# Altium PCB LimeSDR-PCIe_1v3.PcbDoc (part 6 of 10)
Units mm, origin at the board's own origin, x right, y up, seen from the top; angles counter-clockwise.
Board outline 136.85 x 68.9 mm, 12 copper layers (Top, L2, L3, L4, L5, L6, L7, L8, L9, L10, L11, Bottom), stack 1.638 mm thick; 831 components, 538 nets, 3821 pads, 1805 vias.
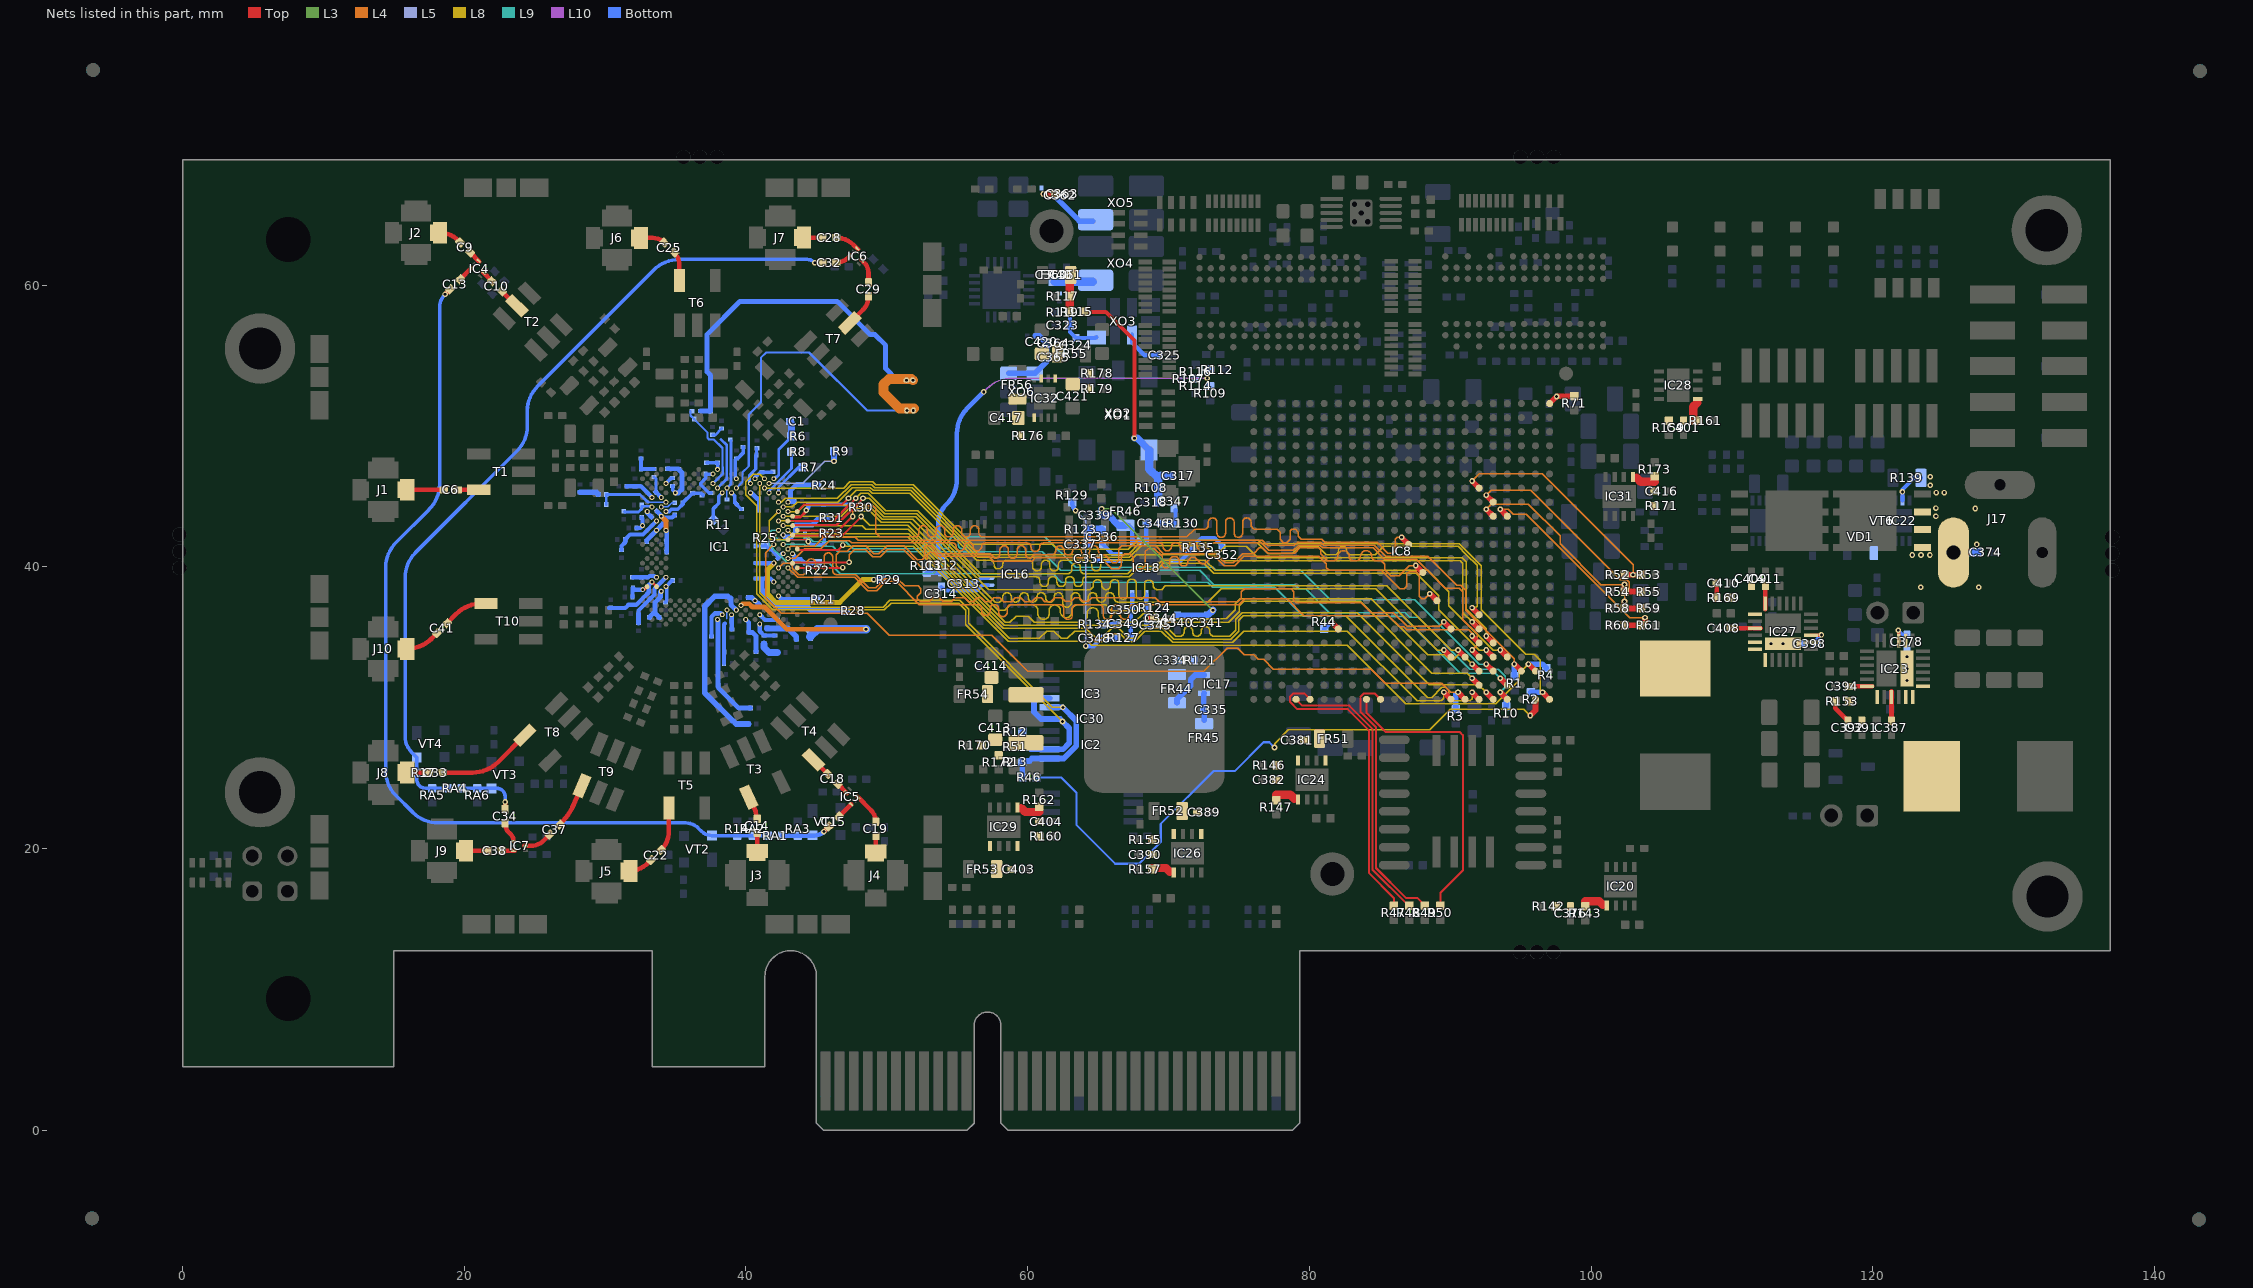
[diagram p16: the nets of this part, all layers, seen from the top]

## Via types
v1: diameter 0.4, hole 0.2, Top to Bottom, tented both sides, 1697 vias
v2: diameter 0.35, hole 0.2, Top to Bottom, tented top, 87 vias
v3: diameter 0.5, hole 0.2, Top to Bottom, tented both sides, 20 vias
v4: diameter 0.4, hole 0.2, Top to Bottom, tented top, 1 vias

## Nets (pads, with @x,y where several pads share a name; then routed paths per layer and width w, separated by ;. In a path a pad name is that pad's centre, name@x,y a point inside that pad or via, vN(x,y) a via of type N, cw(c..) or ccw(c..) an arc to the next point about the centre after c; other vN are vias at no path point) (continued)
LMS_DIQ1_D10: IC1.AB30 IC8.F8 | length 59.2
  Top w0.4: v1(89.55,36.1) IC8.F8@90.05,35.6
  L4 w0.1: v2(42.311,39.934) 42.636,40.259 43.141,40.259 43.302,40.098 43.302,39.892 43.744,39.45 44.025,39.45 ccw(c44.025,39.754) 44.329,39.754 44.329,40.271 cw(c44.633,40.271) 44.633,40.575 cw(c44.633,40.271) 44.937,40.271 44.937,39.754 ccw(c45.241,39.754) 45.241,39.45 ccw(c45.241,39.754) 45.545,39.754 45.545,40.696 cw(c45.849,40.696) 45.849,41 cw(c45.849,40.696) 46.153,40.696 46.153,39.754 ccw(c46.457,39.754) 46.457,39.45 46.761,39.45 46.85,39.45 47.794,39.45 48.293,38.95 48.3,38.95 48.725,38.525 49.2,38.525 49.85,39.175 50.749,39.175 51.274,38.65 52.242,38.65 52.425,38.467 52.425,38.175 52.175,37.925 52.175,37.749 52.399,37.525 53,37.525 53.275,37.8 53.725,37.8 54,37.525 54.575,37.525 54.85,37.8 55.55,37.8 55.825,37.525 56.15,37.525 56.425,37.8 56.7,37.8 56.975,37.525 57.325,37.525 57.6,37.8 58.025,37.8 58.29,37.535 58.843,37.535 58.85,37.541 58.866,37.541 59.125,37.8 59.525,37.8 59.8,37.525 60.3,37.525 60.575,37.8 60.95,37.8 61.225,37.525 61.65,37.525 61.925,37.8 62.4,37.8 62.65,37.55 63.1,37.55 63.35,37.8 63.65,37.8 63.9,37.55 64.3,37.55 64.55,37.8 69.05,37.8 69.325,37.525 74.914,37.525 75.175,37.786 75.175,38.22 75.405,38.45 78.695,38.45 78.9,38.245 78.9,37.6 79.05,37.45 83.695,37.45 84.395,36.75 85.971,36.75 86.946,35.775 89.225,35.775 v1(89.55,36.1)
LMS_DIQ1_D11: IC1.AB32 IC8.E6 | length 59.2
  Top w0.4: v1(91.55,35.1) IC8.E6@92.05,34.6
  L4 w0.1: v2(42.977,39.934) 43.661,39.25 47.711,39.25 48.636,38.325 49.283,38.325 49.933,38.975 50.666,38.975 52.316,37.325 55.65,37.325 56.114,37.325 56.418,37.325 cw(c56.418,37.021) 56.722,37.021 56.722,36.854 ccw(c57.026,36.854) 57.026,36.55 ccw(c57.026,36.854) 57.33,36.854 57.33,37.021 cw(c57.634,37.021) 57.634,37.325 cw(c57.634,37.021) 57.938,37.021 57.938,36.77 ccw(c58.242,36.77) 58.242,36.466 ccw(c58.242,36.77) 58.546,36.77 58.546,37.021 cw(c58.85,37.021) 58.85,37.325 61.75,37.325 61.955,37.325 62.259,37.325 cw(c62.259,37.021) 62.563,37.021 62.563,36.575 ccw(c62.867,36.575) 62.867,36.271 ccw(c62.867,36.575) 63.171,36.575 63.171,37.021 cw(c63.475,37.021) 63.475,37.325 64.45,37.325 64.754,37.325 65.058,37.325 cw(c65.058,37.021) 65.362,37.021 65.362,36.575 ccw(c65.666,36.575) 65.666,36.271 ccw(c65.666,36.575) 65.97,36.575 65.97,37.021 cw(c66.274,37.021) 66.274,37.325 cw(c66.274,37.021) 66.578,37.021 66.578,36.575 ccw(c66.882,36.575) 66.882,36.271 ccw(c66.882,36.575) 67.186,36.575 67.186,37.021 cw(c67.49,37.021) 67.49,37.325 69.125,37.325 74.997,37.325 75.397,37.725 78.42,37.725 79.595,36.55 85.605,36.55 86.405,35.75 86.688,35.75 86.913,35.525 91.3,35.525 91.55,35.275 v1(91.55,35.1)
LMS_DIQ2_D0: IC1.H30 IC8.G6 | length 58.8
  Top w0.4: v1(91.55,37.1) IC8.G6@92.05,36.6
  L8 w0.1: v2(42.311,44.596) 42.517,44.596 42.797,44.875 46.497,44.875 47.46,45.838 48.917,45.838 49.13,45.625 51.792,45.625 56.542,40.875 67.144,40.875 67.969,41.7 76.304,41.7 77.079,40.925 78.775,40.925 79.3,41.45 80.6,41.45 81.2,40.85 81.75,40.85 81.758,40.85 ccw(c81.758,41.146) 82.054,41.146 cw(c82.358,41.146) 82.358,41.45 cw(c82.358,41.146) 82.662,41.146 ccw(c82.958,41.146) 82.958,40.85 83.27,40.85 83.5,40.85 84.675,40.85 85.275,41.45 90.554,41.45 91.154,40.85 91.9,40.104 91.9,37.225 91.775,37.1 v1(91.55,37.1)
LMS_DIQ2_D1: IC1.J31 IC8.E5 | length 58.8
  Top w0.4: v1(92.55,35.1) IC8.E5@93.05,34.6
  L8 w0.1: v2(42.644,44.263) 43.288,44.263 43.625,44.6 46.505,44.6 47.543,45.638 48.835,45.638 49.047,45.425 51.709,45.425 56.459,40.675 67.226,40.675 68.051,41.5 72.6,41.5 73.025,41.075 73.625,41.075 74.025,41.475 75.5,41.475 76.325,40.65 90.85,40.65 91.15,40.35 91.15,36.995 92.55,35.595 v1(92.55,35.1)
LMS_DIQ2_D2: IC1.K30 IC8.A8 | length 58.8
  Top w0.4: v1(89.55,31.1) IC8.A8@90.05,30.6
  L8 w0.1: v2(42.311,43.93) 42.309,43.931 41.649,43.271 41.649,42.076 41.801,41.924 42.509,41.924 42.824,41.924 43.056,42.156 51.47,42.156 58.701,34.925 60.825,34.925 61.35,35.45 61.85,35.45 62.375,34.925 62.805,34.925 63.33,35.45 64.05,35.45 64.8,34.7 65.308,34.7 65.854,35.246 66.571,35.246 67.117,34.7 67.575,34.7 68.325,35.45 69.5,35.45 70.3,34.65 74.55,34.65 75.35,35.45 82.695,35.45 87.645,30.5 89.375,30.5 89.55,30.675 v1(89.55,31.1)
LMS_DIQ2_D3: IC1.K32 IC8.D7 | length 59.2
  Top w0.4: v1(90.55,34.1) IC8.D7@91.05,33.6
  L8 w0.1: v2(42.977,43.93) 43.685,43.93 44.13,44.375 48.966,44.375 49.766,43.575 52.042,43.575 57.234,38.383 64.35,38.383 ccw(c64.35,38.687) 64.654,38.687 64.654,38.792 cw(c64.958,38.792) 64.958,39.096 cw(c64.958,38.792) 65.262,38.792 65.262,38.687 ccw(c65.566,38.687) 65.566,38.383 ccw(c65.566,38.687) 65.87,38.687 65.87,38.792 cw(c66.174,38.792) 66.174,39.096 cw(c66.174,38.792) 66.478,38.792 66.478,38.383 66.478,38.02 ccw(c66.782,38.02) 66.782,37.716 ccw(c66.782,38.02) 67.086,38.02 67.086,38.383 67.086,38.831 cw(c67.39,38.831) 67.39,39.135 cw(c67.39,38.831) 67.694,38.831 67.694,38.383 67.694,38.02 ccw(c67.998,38.02) 67.998,37.716 ccw(c67.998,38.02) 68.302,38.02 68.302,38.383 68.302,38.759 cw(c68.606,38.759) 68.606,39.063 cw(c68.606,38.759) 68.91,38.759 68.91,38.687 ccw(c69.214,38.687) 69.214,38.383 69.508,38.383 69.775,38.65 85.505,38.65 90.055,34.1 v1(90.55,34.1)
LMS_DIQ2_D4: IC1.L31 IC8.D8 | length 59.2
  Top w0.4: v1(89.55,34.1) IC8.D8@90.05,33.6
  L8 w0.1: v2(42.644,43.597) 46.764,43.597 47.317,44.15 48.908,44.15 49.683,43.375 51.825,43.375 57.7,37.5 57.925,37.5 ccw(c57.925,37.804) 58.229,37.804 58.229,37.865 cw(c58.533,37.865) 58.533,38.169 cw(c58.533,37.865) 58.837,37.865 58.837,37.804 ccw(c59.141,37.804) 59.141,37.5 ccw(c59.141,37.804) 59.445,37.804 59.445,37.865 cw(c59.749,37.865) 59.749,38.169 cw(c59.749,37.865) 60.053,37.865 60.053,37.804 ccw(c60.357,37.804) 60.357,37.5 ccw(c60.357,37.804) 60.661,37.804 60.661,37.865 cw(c60.965,37.865) 60.965,38.169 cw(c60.965,37.865) 61.269,37.865 61.269,37.804 ccw(c61.573,37.804) 61.573,37.5 ccw(c61.573,37.804) 61.877,37.804 61.877,37.865 cw(c62.181,37.865) 62.181,38.169 cw(c62.181,37.865) 62.485,37.865 62.485,37.5 62.485,37.439 ccw(c62.789,37.439) 62.789,37.135 ccw(c62.789,37.439) 63.093,37.439 63.093,37.5 63.093,37.865 cw(c63.397,37.865) 63.397,38.169 cw(c63.397,37.865) 63.701,37.865 63.701,37.804 ccw(c64.005,37.804) 64.005,37.5 ccw(c64.005,37.804) 64.309,37.804 64.309,37.865 cw(c64.613,37.865) 64.613,38.169 cw(c64.613,37.865) 64.917,37.865 64.917,37.804 ccw(c65.221,37.804) 65.221,37.5 ccw(c65.221,37.804) 65.525,37.804 65.525,37.865 cw(c65.829,37.865) 65.829,38.169 cw(c65.829,37.865) 66.133,37.865 66.133,37.804 ccw(c66.437,37.804) 66.437,37.5 66.975,37.5 72.795,37.5 73.745,38.45 84.15,38.45 84.725,38.45 89.075,34.1 v1(89.55,34.1)
LMS_DIQ2_D5: IC1.K34 IC8.F6 | length 59.2
  Top w0.15: IC1.K34@43.643,43.93 44.145,44.431 46.831,44.431 v1(47.275,44.875)
  Top w0.4: v1(91.55,36.1) IC8.F6@92.05,35.6
  L8 w0.1: v1(47.275,44.875) 47.837,45.438 48.752,45.438 48.964,45.225 51.626,45.225 56.376,40.475 56.7,40.475 57.004,40.475 57.308,40.475 cw(c57.308,40.171) 57.612,40.171 57.612,40.157 ccw(c57.916,40.157) 57.916,39.853 ccw(c57.916,40.157) 58.22,40.157 58.22,40.171 cw(c58.524,40.171) 58.524,40.475 58.775,40.475 59.45,40.475 59.754,40.475 60.058,40.475 cw(c60.058,40.171) 60.362,40.171 60.362,40.016 ccw(c60.666,40.016) 60.666,39.712 ccw(c60.666,40.016) 60.97,40.016 60.97,40.171 cw(c61.274,40.171) 61.274,40.475 cw(c61.274,40.171) 61.578,40.171 61.578,40.016 ccw(c61.882,40.016) 61.882,39.712 ccw(c61.882,40.016) 62.186,40.016 62.186,40.171 cw(c62.49,40.171) 62.49,40.475 62.794,40.475 63.325,40.475 63.65,40.475 63.954,40.475 64.258,40.475 cw(c64.258,40.171) 64.562,40.171 64.562,40.016 ccw(c64.866,40.016) 64.866,39.712 ccw(c64.866,40.016) 65.17,40.016 65.17,40.171 cw(c65.474,40.171) 65.474,40.475 67.309,40.475 67.709,40.875 73.375,40.875 73.8,40.45 77.405,40.45 90.725,40.45 90.9,40.275 90.9,36.75 v1(91.55,36.1)
LMS_DIQ2_D6: IC1.M30 IC8.C6 | length 59.2
  Top w0.4: v1(91.55,33.1) IC8.C6@92.05,32.6
  L8 w0.1: v2(42.311,43.264) 46.714,43.264 47.4,43.95 48.825,43.95 49.6,43.175 51.675,43.175 57.925,36.925 58.377,36.925 58.752,37.3 59.525,37.3 59.925,37.3 60.325,37.3 cw(c60.325,36.9) 60.725,36.9 60.725,36.675 ccw(c61.125,36.675) 61.125,36.275 ccw(c61.125,36.675) 61.525,36.675 61.525,36.9 cw(c61.925,36.9) 61.925,37.3 cw(c61.925,36.9) 62.325,36.9 62.325,36.798 ccw(c62.725,36.798) 62.725,36.398 ccw(c62.725,36.798) 63.125,36.798 63.125,36.9 cw(c63.525,36.9) 63.525,37.3 63.925,37.3 65.55,37.3 65.95,36.9 68.775,36.9 69.35,36.325 74.1,36.325 74.75,36.975 74.75,37.4 75.1,37.75 84.4,37.75 88.4,33.75 89.625,33.75 89.975,33.4 90.225,33.4 90.575,33.75 90.9,33.75 v1(91.55,33.1)
LMS_DIQ2_D7: IC1.M32 IC8.D4 | length 59.1
  Top w0.11: IC1.M32@42.977,43.264 43.481,43.264
  Top w0.15: 43.481,43.264 46.189,43.264 47.425,44.5 47.43,44.5 47.65,44.72 47.65,44.725 v1(47.8,44.875)
  Top w0.4: v1(93.55,34.1) IC8.D4@94.05,33.6
  L8 w0.1: v1(47.8,44.875) 48.162,45.238 48.669,45.238 49.931,43.975 52.208,43.975 56.67,39.512 62.825,39.512 ccw(c62.825,39.816) 63.129,39.816 63.129,39.971 cw(c63.433,39.971) 63.433,40.275 cw(c63.433,39.971) 63.737,39.971 63.737,39.816 ccw(c64.041,39.816) 64.041,39.512 64.925,39.512 67.112,39.512 67.65,40.05 69.116,40.05 69.541,40.475 72.58,40.475 73.305,39.75 88.395,39.75 89.9,38.245 89.9,37.245 93.045,34.1 v1(93.55,34.1)
LMS_DIQ2_D8: IC1.N31 IC8.A5 | length 59
  Top w0.4: v1(92.55,31.1) IC8.A5@93.05,30.6
  L8 w0.1: v2(42.644,42.931) 48.244,42.931 48.5,42.675 51.517,42.675 58.342,35.85 63.695,35.85 66.5,35.85 69.725,35.85 70.5,35.075 70.8,35.075 ccw(c70.8,35.379) 71.104,35.379 71.104,35.453 cw(c71.408,35.453) 71.408,35.757 cw(c71.408,35.453) 71.712,35.453 71.712,35.379 ccw(c72.016,35.379) 72.016,35.075 ccw(c72.016,35.379) 72.32,35.379 72.32,35.453 cw(c72.624,35.453) 72.624,35.757 cw(c72.624,35.453) 72.928,35.453 72.928,35.379 ccw(c73.232,35.379) 73.232,35.075 73.975,35.075 74.342,35.075 74.775,35.508 74.775,36.3 75.225,36.75 83.395,36.75 88.495,31.65 92,31.65 v1(92.55,31.1)
LMS_DIQ2_D9: IC1.N33 IC8.D5 | length 59.2
  Top w0.15: IC1.N33@43.31,42.931 43.31,42.973 46.428,42.973 v1@48.28,44.825
  Top w0.4: v1(92.55,34.1) IC8.D5@93.05,33.6
  L8 w0.1: v1(48.305,44.875) 48.749,44.875 49.849,43.775 52.125,43.775 56.588,39.312 59.95,39.312 60.254,39.312 60.558,39.312 cw(c60.558,39.008) 60.862,39.008 60.862,38.916 ccw(c61.166,38.916) 61.166,38.612 ccw(c61.166,38.916) 61.47,38.916 61.47,39.008 cw(c61.774,39.008) 61.774,39.312 cw(c61.774,39.008) 62.078,39.008 62.078,38.916 ccw(c62.382,38.916) 62.382,38.612 ccw(c62.382,38.916) 62.686,38.916 62.686,39.008 cw(c62.99,39.008) 62.99,39.312 cw(c62.99,39.008) 63.294,39.008 63.294,38.916 ccw(c63.598,38.916) 63.598,38.612 ccw(c63.598,38.916) 63.902,38.916 63.902,39.008 cw(c64.206,39.008) 64.206,39.312 65.4,39.312 67.195,39.312 67.733,39.85 69.199,39.85 69.624,40.275 72.497,40.275 73.222,39.55 87.595,39.55 89.2,37.945 89.2,36.95 92.05,34.1 v1(92.55,34.1)
LMS_DIQ2_D10: IC1.P30 IC8.B4 | length 59
  Top w0.4: v1(93.55,32.1) IC8.B4@94.05,31.6
  L9 w0.1: v2(42.311,42.598) 42.303,42.59 41.843,42.59 41.653,42.399 41.653,41.57 41.874,41.349 41.876,41.349 42.061,41.164 42.061,41.162 42.207,41.016 42.209,41.016 42.394,40.831 42.394,40.829 42.54,40.683 42.542,40.683 42.727,40.498 42.727,40.496 42.948,40.275 45.925,40.275 46.7,39.5 53.15,39.5 ccw(c53.15,39.804) 53.454,39.804 53.454,39.888 cw(c53.758,39.888) 53.758,40.192 cw(c53.758,39.888) 54.062,39.888 54.062,39.804 ccw(c54.366,39.804) 54.366,39.5 56.225,39.5 61.825,39.5 62.4,38.925 72.767,38.925 73.142,38.55 77.525,38.55 79.575,36.5 86.645,36.5 90.695,32.45 93.2,32.45 v1(93.55,32.1)
LMS_DIQ2_D11: IC1.P32 IC8.A6 | length 58.7
  Top w0.4: v1(91.55,31.1) IC8.A6@92.05,30.6
  L8 w0.1: v2(42.977,42.598) 43.218,42.356 51.553,42.356 58.259,35.65 64.133,35.65 64.858,34.925 65.25,34.925 65.975,35.65 66.45,35.65 67.175,34.925 67.517,34.925 68.242,35.65 69.583,35.65 70.358,34.875 74.425,34.875 74.975,35.425 74.975,36.217 75.308,36.55 82.595,36.55 88.42,30.725 88.67,30.725 89.395,31.45 89.695,31.45 89.9,31.245 89.9,30.75 90.15,30.5 91.4,30.5 91.55,30.65 v1(91.55,31.1)
LMS_ENABLE_IQSEL1: IC1.Y32 IC8.D6 | length 59.5
  Top w0.4: v1(91.55,34.1) IC8.D6@92.05,33.6
  L4 w0.1: v2(42.977,40.6) 43.5,40.6 44.175,41.275 45.325,41.275 45.925,41.875 47.345,41.875 47.52,41.7 54,41.7 54.304,41.7 54.666,41.7 cw(c54.666,41.454) 54.912,41.454 ccw(c55.216,41.454) 55.216,41.15 ccw(c55.216,41.454) 55.52,41.454 cw(c55.766,41.454) 55.766,41.7 55.882,41.7 cw(c55.882,41.454) 56.128,41.454 ccw(c56.432,41.454) 56.432,41.15 ccw(c56.432,41.454) 56.736,41.454 cw(c56.982,41.454) 56.982,41.7 57.475,41.7 58.825,41.7 59.934,41.7 cw(c59.934,41.396) 60.238,41.396 ccw(c60.542,41.396) 60.542,41.092 ccw(c60.542,41.396) 60.846,41.396 cw(c61.15,41.396) 61.15,41.7 68.975,41.7 68.998,41.7 69.36,41.7 cw(c69.36,41.454) 69.606,41.454 ccw(c69.91,41.454) 69.91,41.15 ccw(c69.91,41.454) 70.214,41.454 cw(c70.46,41.454) 70.46,41.7 70.576,41.7 cw(c70.576,41.454) 70.822,41.454 ccw(c71.126,41.454) 71.126,41.15 ccw(c71.126,41.454) 71.43,41.454 cw(c71.676,41.454) 71.676,41.7 71.792,41.7 cw(c71.792,41.454) 72.038,41.454 ccw(c72.342,41.454) 72.342,41.15 ccw(c72.342,41.454) 72.646,41.454 cw(c72.892,41.454) 72.892,41.7 72.95,41.7 76.586,41.7 77.111,41.175 78.867,41.175 79.242,41.55 80.736,41.55 80.936,41.35 84.522,41.35 85.322,40.55 87.595,40.55 89.645,38.5 90.645,38.5 90.9,38.245 90.9,36.25 91.9,35.25 91.9,34.45 v1(91.55,34.1)
LMS_ENABLE_IQSEL2: IC1.R33 IC8.B6 | length 58.8
  Top w0.15: IC1.R33@43.31,42.265 43.352,42.223 45.375,42.223 46.848,42.223 v1@48.175,43.55
  Top w0.4: v1(91.55,32.1) IC8.B6@92.05,31.6
  L8 w0.1: v1(48.175,43.575) 48.775,42.975 51.5,42.975 58.417,36.058 58.733,36.058 59.175,36.5 60.025,36.5 60.467,36.058 63.825,36.058 ccw(c63.825,36.458) 64.225,36.458 64.225,36.7 cw(c64.625,36.7) 64.625,37.1 cw(c64.625,36.7) 65.025,36.7 65.025,36.458 ccw(c65.425,36.458) 65.425,36.058 65.583,36.058 ccw(c65.583,36.3) 65.825,36.3 cw(c66.225,36.3) 66.225,36.7 cw(c66.225,36.3) 66.625,36.3 ccw(c66.867,36.3) 66.867,36.058 67.425,36.058 67.583,36.058 68.225,36.7 68.575,36.7 69.2,36.075 74.267,36.075 75.025,36.833 75.025,37.25 75.325,37.55 83.6,37.55 88.7,32.45 91.2,32.45 v1(91.55,32.1)
LMS_FCLK1: IC1.AA33 IC8.H9 | length 59.3
  Top w0.15: IC1.AA33@43.31,40.284 IC1.AA33@43.31,40.267 43.368,40.325 v1(47.325,40.325)
  Top w0.4: v1(88.55,38.1) IC8.H9@89.05,37.6
  L4 w0.1: v1(47.325,40.325) 47.325,40.85 47.7,41.225 48.5,41.225 49,40.725 49.525,40.725 50.025,41.225 51.191,41.225 52.491,39.925 52.7,39.925 52.875,40.1 52.875,40.875 53.034,41.034 53.334,41.034 53.617,40.75 57.242,40.75 57.58,40.412 60.312,40.412 60.55,40.65 65.2,40.65 65.975,39.875 66.45,39.875 66.65,40.075 66.65,40.725 66.875,40.95 67.25,40.95 67.5,40.7 67.5,40.025 67.65,39.875 68.125,39.875 68.35,40.1 68.35,41.1 68.55,41.3 68.999,41.3 69.55,40.749 69.55,40.075 69.7,39.925 69.924,39.925 70.099,40.1 70.099,40.549 70.275,40.725 70.575,40.725 70.775,40.525 70.775,40.25 70.925,40.1 71.225,40.1 71.375,40.25 71.375,40.45 71.6,40.675 71.875,40.675 72.325,40.225 72.575,40.225 73.084,40.734 73.311,40.734 73.945,40.1 74.692,40.1 75.342,40.75 80.678,40.75 81.2,40.228 81.2,39.955 81.405,39.75 85.108,39.75 86.408,38.45 86.75,38.45 86.925,38.625 86.925,39.5 87.075,39.65 87.6,39.65 87.8,39.45 87.8,37.9 87.975,37.725 88.175,37.725 v1(88.55,38.1)
LMS_FCLK2: IC1.R29 IC8.C5 | length 58.5
  Top w0.4: v1(92.55,33.1) IC8.C5@93.05,32.6
  L9 w0.1: v2(41.978,42.265) 42.303,41.94 44.062,41.94 44.279,42.156 44.428,42.156 44.784,41.8 47.1,41.8 47.625,41.275 52.373,41.275 53.254,42.156 53.558,42.156 cw(c53.558,41.852) 53.862,41.852 53.862,41.579 ccw(c54.166,41.579) 54.166,41.275 ccw(c54.166,41.579) 54.47,41.579 54.47,41.852 cw(c54.774,41.852) 54.774,42.156 cw(c54.774,41.852) 55.078,41.852 55.078,41.579 ccw(c55.382,41.579) 55.382,41.275 ccw(c55.382,41.579) 55.686,41.579 55.686,41.892 cw(c55.95,41.892) 55.95,42.156 61.214,42.156 63.395,39.975 73.125,39.975 73.35,39.75 79.395,39.75 81.47,37.675 87.47,37.675 92.045,33.1 v1(92.55,33.1)
LMS_I2C_SCL: IC1.C27 IC2.6 IC3.6 R12.2 R51.1 | length 47
  L8 w0.1: v2(41.312,46.261) 41.296,46.261 40.971,46.586 40.511,46.586 39.988,46.062 39.988,45.396 39.988,45.127 40.779,44.336 40.779,38.088 41.917,36.95 49.833,36.95 50.308,37.425 55.095,37.425 55.6,36.92 55.6,35.9 v1(62.475,29.025)
  Bottom w0.4: R12.2@59.625,28.3 R51.1@59.625,27.225 59.7,27.15 60.125,27.15 60.225,27.05 IC2.6@61.55,27.05 62.507,27.05 62.95,27.493 62.95,28.55 v1(62.475,29.025) 62.3,29.2 60.95,29.2 60.45,29.7 60.45,30.4 60.725,30.675 IC3.6@61.55,30.675
LMS_I2C_SDA: IC1.D26 IC2.5 IC3.5 R13.2 R46.1 | length 43.1
  L8 w0.1: v2(40.979,45.928) 40.979,38.171 42,37.15 49.75,37.15 50.225,37.625 55.178,37.625 55.8,37.003 55.8,35.983 61.758,30.025 v1(62.5,30.025)
  L9 w0.1: v2(40.979,45.928) v2@40.987,45.936
  Bottom w0.4: R46.1@59.625,25.05 R13.2@59.625,26.15 59.7,26.225 60.125,26.225 60.3,26.4 IC2.5@61.55,26.4 62.564,26.4 63.45,27.286 63.45,29.075 v1(62.5,30.025) IC3.5@61.55,30.025
LMS_MCLK1: IC1.AB34 IC8.K10 | length 59.3
  Top w0.15: IC1.AB34@43.643,39.934 46.875,39.934 v1@46.959,39.934
  Top w0.4: v1(87.55,40.1) IC8.K10@88.05,39.6
  L4 w0.1: v1(46.875,39.95) 46.55,39.95 46.4,40.1 46.4,40.85 46.65,41.1 47.203,41.1 47.603,41.5 48.508,41.5 49.083,40.925 49.442,40.925 50.017,41.5 51.199,41.5 52.174,40.525 52.525,40.525 52.675,40.675 52.675,41.383 52.792,41.5 53.15,41.5 53.7,40.95 57.325,40.95 57.663,40.612 57.725,40.612 ccw(c57.725,40.916) 58.029,40.916 58.029,41.196 cw(c58.333,41.196) 58.333,41.5 cw(c58.333,41.196) 58.637,41.196 58.637,40.916 ccw(c58.941,40.916) 58.941,40.612 ccw(c58.941,40.916) 59.245,40.916 59.245,41.196 cw(c59.549,41.196) 59.549,41.5 cw(c59.549,41.196) 59.853,41.196 59.853,40.916 ccw(c60.157,40.916) 60.157,40.612 60.23,40.612 60.467,40.85 61.675,40.85 ccw(c61.675,41.154) 61.979,41.154 61.979,41.196 cw(c62.283,41.196) 62.283,41.5 cw(c62.283,41.196) 62.587,41.196 62.587,41.154 ccw(c62.891,41.154) 62.891,40.85 ccw(c62.891,41.154) 63.195,41.154 63.195,41.196 cw(c63.499,41.196) 63.499,41.5 cw(c63.499,41.196) 63.803,41.196 63.803,41.154 ccw(c64.107,41.154) 64.107,40.85 ccw(c64.107,41.154) 64.411,41.154 64.411,41.196 cw(c64.715,41.196) 64.715,41.5 cw(c64.715,41.196) 65.019,41.196 65.019,41.154 ccw(c65.323,41.154) 65.323,40.85 65.475,40.85 66.025,40.3 66.275,40.3 66.45,40.475 66.45,41.275 66.675,41.5 69.081,41.5 69.631,40.95 73.378,40.95 74.028,40.3 74.609,40.3 75.259,40.95 76.046,40.95 76.446,41.35 76.654,41.35 77.029,40.975 78.95,40.975 79.325,41.35 80.654,41.35 80.8,41.204 80.8,40.925 81.275,40.45 81.625,40.45 81.725,40.45 ccw(c81.725,40.75) 82.025,40.75 cw(c82.425,40.75) 82.425,41.15 cw(c82.425,40.75) 82.825,40.75 ccw(c83.125,40.75) 83.125,40.45 83.325,40.45 ccw(c83.325,40.75) 83.625,40.75 cw(c84.025,40.75) 84.025,41.15 cw(c84.025,40.75) 84.425,40.75 ccw(c84.725,40.75) 84.725,40.45 85.1,40.45 85.35,40.2 85.35,39.8 85.775,39.375 86.375,39.375 87.1,40.1 v1(87.55,40.1)
LMS_MCLK2: IC1.P34 IC8.M11 | length 59.9
  Top w0.15: IC1.P34@43.643,42.598 46.573,42.598 47.562,43.588 v1@47.575,43.6
  Top w0.4: v1(86.55,42.1) IC8.M11@87.05,41.6
  L4 w0.1: v1(47.575,43.575) 47.575,44.1 47.825,44.35 49,44.35 49.2,44.15 49.2,42.42 49.495,42.125 51.975,42.125 ccw(c51.975,42.429) 52.279,42.429 52.279,42.621 cw(c52.583,42.621) 52.583,42.925 cw(c52.583,42.621) 52.887,42.621 52.887,42.429 ccw(c53.191,42.429) 53.191,42.125 ccw(c53.191,42.429) 53.495,42.429 53.495,42.621 cw(c53.799,42.621) 53.799,42.925 cw(c53.799,42.621) 54.103,42.621 54.103,42.429 ccw(c54.407,42.429) 54.407,42.125 ccw(c54.407,42.429) 54.711,42.429 54.711,42.621 cw(c55.015,42.621) 55.015,42.925 cw(c55.015,42.621) 55.319,42.621 55.319,42.429 ccw(c55.623,42.429) 55.623,42.125 ccw(c55.623,42.429) 55.927,42.429 55.927,42.621 cw(c56.231,42.621) 56.231,42.925 cw(c56.231,42.621) 56.535,42.621 56.535,42.429 ccw(c56.839,42.429) 56.839,42.125 57.143,42.125 57.751,42.125 57.95,42.125 58.05,42.125 71.3,42.125 71.85,42.675 72.525,42.675 ccw(c72.525,42.979) 72.829,42.979 72.829,43.171 cw(c73.133,43.171) 73.133,43.475 cw(c73.133,43.171) 73.437,43.171 73.437,42.675 73.437,42.404 ccw(c73.741,42.404) 73.741,42.1 ccw(c73.741,42.404) 74.045,42.404 74.045,42.675 74.045,43.171 cw(c74.349,43.171) 74.349,43.475 cw(c74.349,43.171) 74.653,43.171 74.653,42.675 74.653,42.404 ccw(c74.957,42.404) 74.957,42.1 ccw(c74.957,42.404) 75.261,42.404 75.261,42.675 75.261,43.171 cw(c75.565,43.171) 75.565,43.475 cw(c75.565,43.171) 75.869,43.171 75.869,42.979 ccw(c76.173,42.979) 76.173,42.675 76.375,42.675 77.725,42.675 77.925,42.475 77.925,41.95 78.15,41.725 78.4,41.725 78.625,41.95 78.625,42.55 78.75,42.675 79.025,42.675 79.225,42.475 79.225,42.175 79.425,41.975 80.877,41.975 81.102,41.75 84.8,41.75 85.575,40.975 85.925,40.975 86.1,41.15 86.1,41.95 86.25,42.1 v1(86.55,42.1)
LMS_RESET: IC1.E27 IC8.A1 R2.1 | length 66.8
  Top w0.4: v1(96.55,31.1) IC8.A1@97.05,30.6
  L8 w0.1: v2(41.312,45.595) 46.934,45.595 47.377,46.038 49,46.038 49.213,45.825 51.875,45.825 56.075,41.625 61.792,41.625 62.167,41.25 67.15,41.25 67.8,41.9 76.386,41.9 76.636,41.65 90.636,41.65 92.2,40.086 92.2,36.955 95.355,33.8 95.975,33.8 96.4,33.375 96.4,31.25 v1(96.55,31.1)